# Altium PCB AdamDynamic VCA-001.PcbDoc
Units mm, origin at the board's own origin, x right, y up, seen from the top; angles counter-clockwise.
Board outline 130.18 x 70.48 mm, 2 copper layers (Top Layer, Bottom Layer), stack 1.681 mm thick; 49 components, 33 nets, 146 pads, 8 vias.
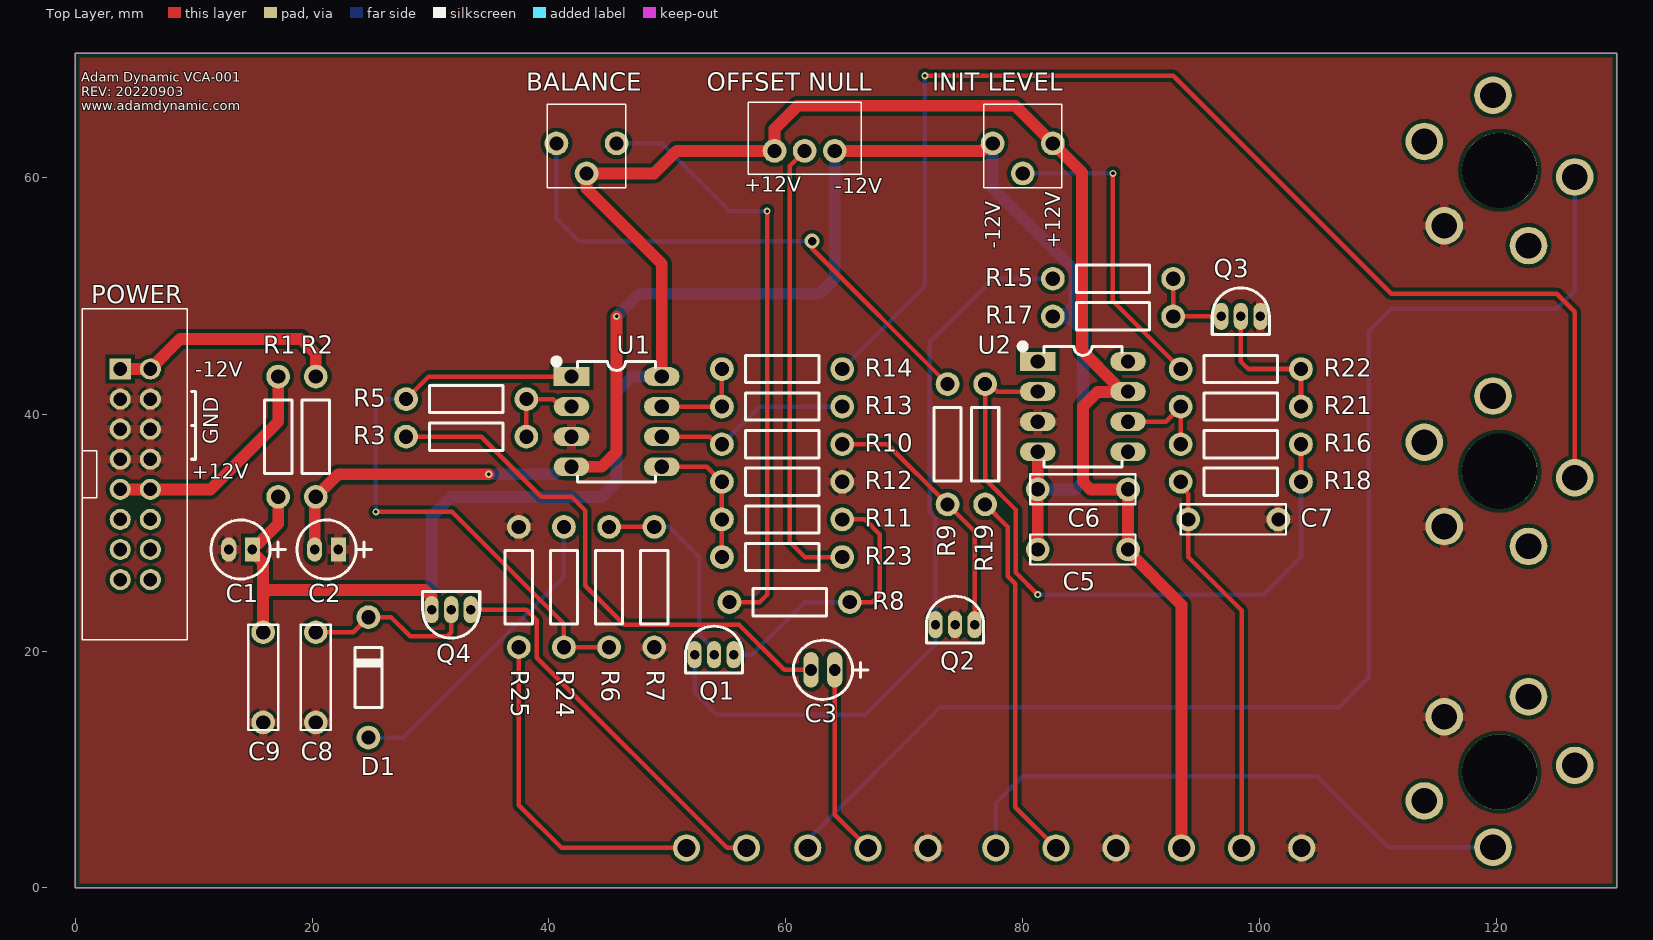
[diagram p0: Top Layer view]
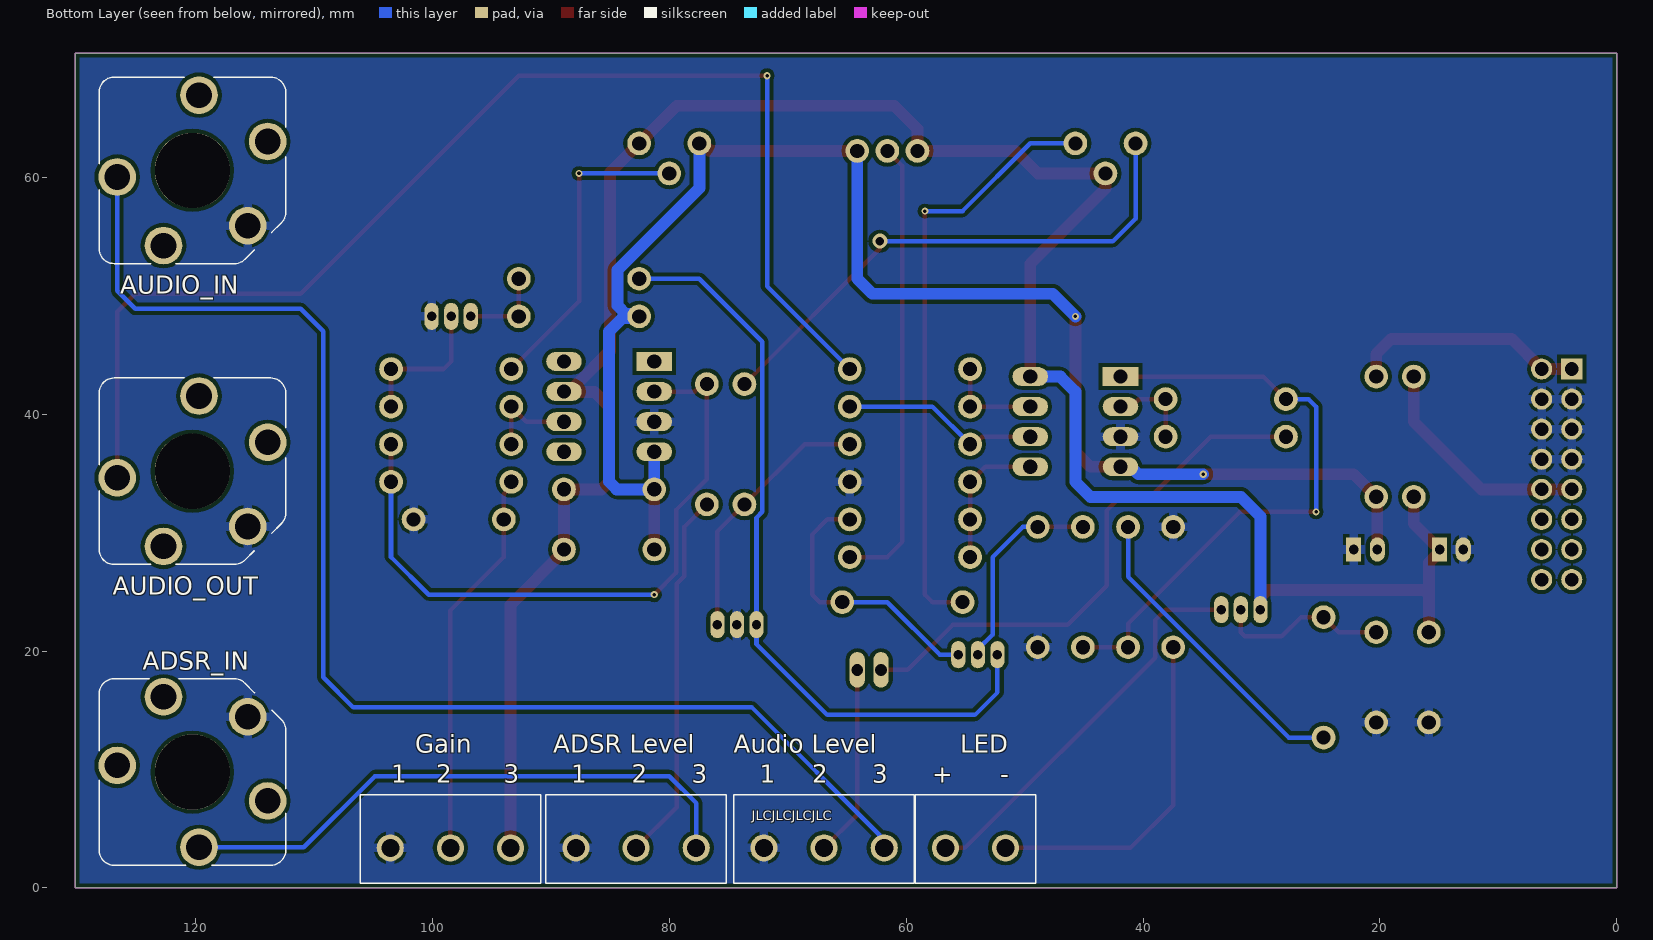
[diagram p1: Bottom Layer view, seen from below]
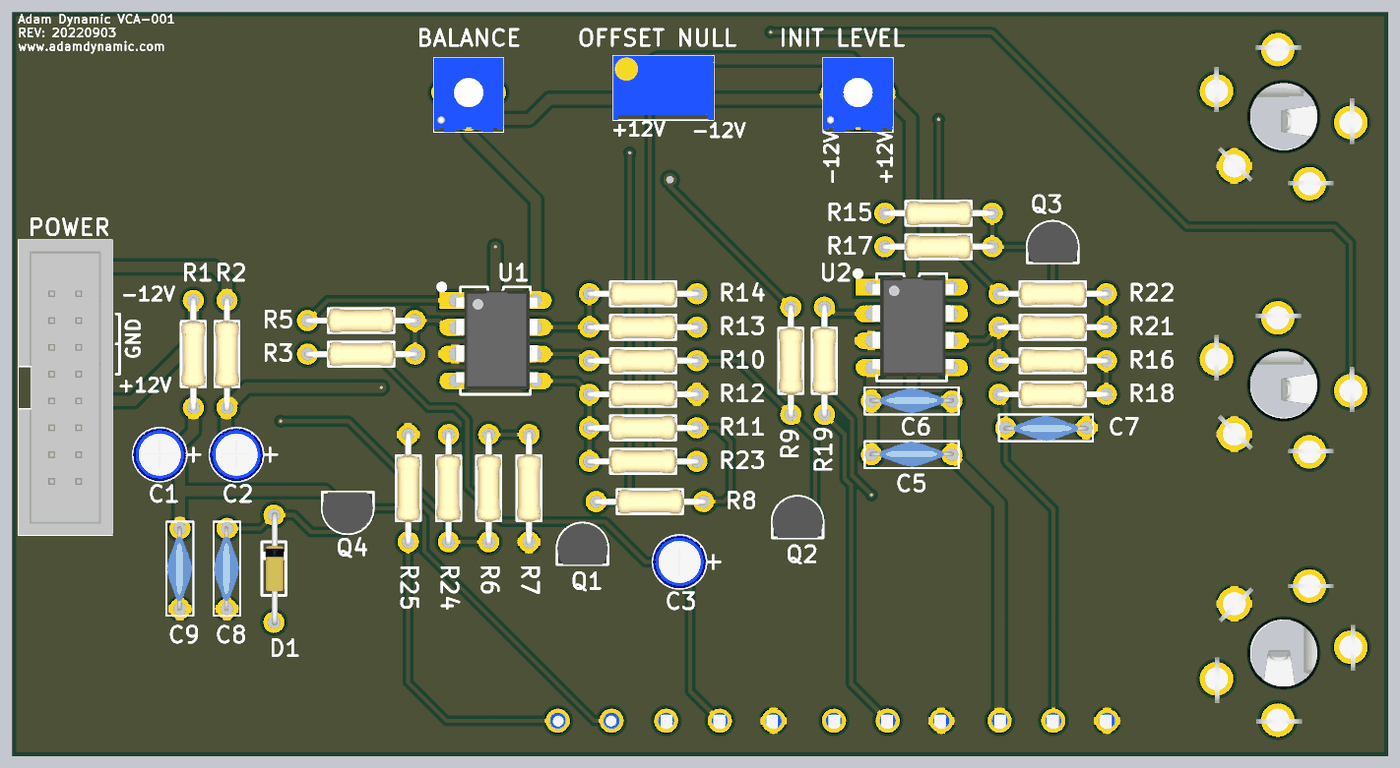
[diagram p2: 3D render of the assembled board from above, using the file's embedded part models]
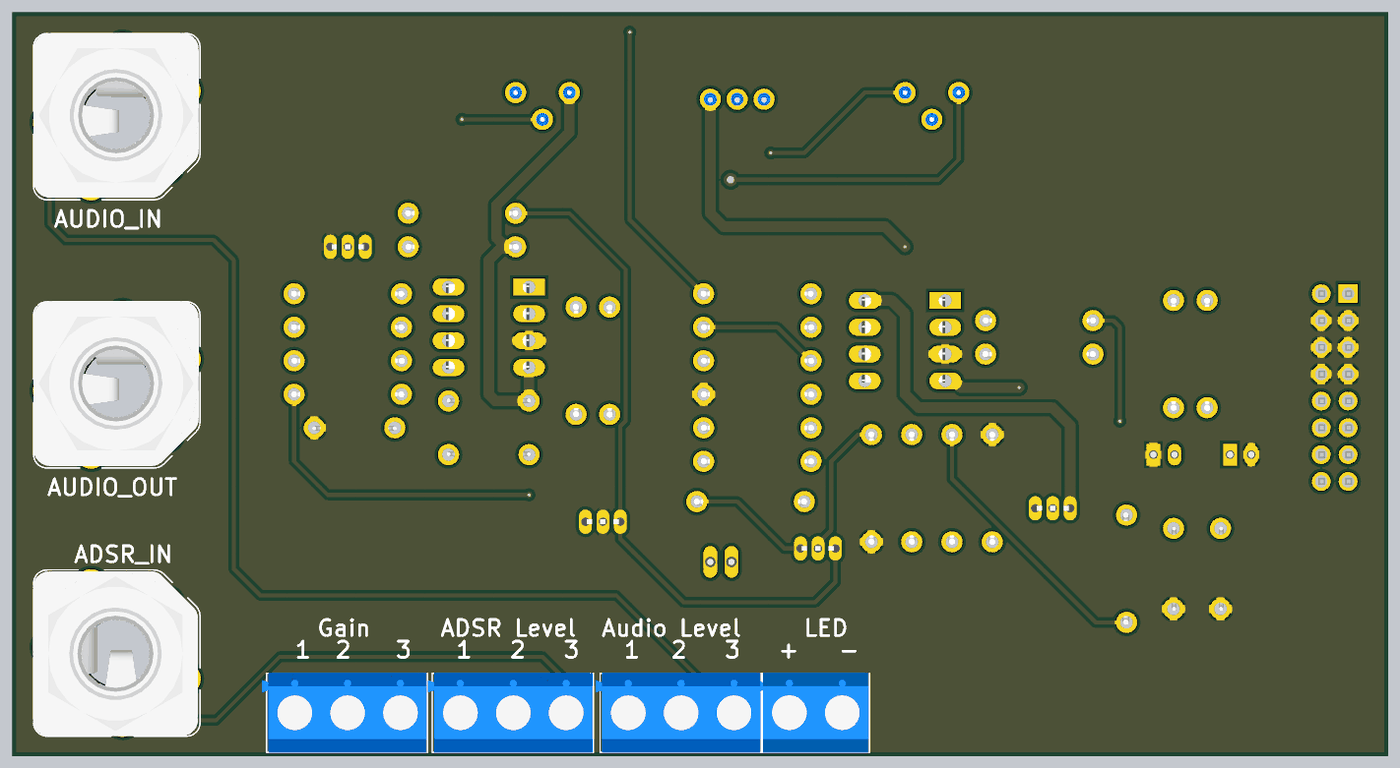
[diagram p3: 3D render of the assembled board from below, using the file's embedded part models]

## Layer stack, top to bottom
Top Solder: solder mask 0.0102, Solder Resist, Dk 3.5
Top Layer: signal copper 0.0356
Dielectric1: dielectric 1.6104, FR-4, Dk 4.8
Bottom Layer: signal copper 0.0356
Bottom Solder: solder mask 0.0102, Solder Resist, Dk 3.5

## Board outline
0,0 130.175,0 130.175,70.485 0,70.485

## Design rules (kind name [scope] priority, off if disabled: settings)
Clearance Clearance_1 [InPadClass('mount') vs InNamedPolygon('GND_L02_P002')or InNamedPolygon('GND_L01_P000')] p1: gap=1.27 ignorepadtopadclearanceinfootprint=FALSE except(0: Arc-Hole Track-Hole SMDPad-Hole THPad-Hole Via-Hole Fill-Hole Poly-Hole Region-Hole Text-Hole)
Clearance [All] p2: gap=0.318 ignorepadtopadclearanceinfootprint=FALSE except(0: Arc-Hole Track-Hole SMDPad-Hole THPad-Hole Via-Hole Fill-Hole Poly-Hole Region-Hole Text-Hole)
PolygonConnect PolygonConnect_1 [HasFootprint('HEADER 8X2')] p1: connectstyle=Relief reliefconductorwidth=0.762 reliefentries=4 polygonreliefangle="90 Angle" airgapwidth=0.254
PolygonConnect [All] p2: connectstyle=Relief reliefconductorwidth=0.762 reliefentries=4 polygonreliefangle="90 Angle" airgapwidth=0.254
RoutingVias [All] p1: holewidth=0.711 width=1.27 viastyle="Through Hole" minholewidth=0.711 minwidth=1.27 maxholewidth=0.711 maxwidth=1.27
SolderMaskExpansion [All] p1: expansion=0.102
Width [All] p1: maxlimit=1.27 minlimit=0.254 preferedwidth=0.381
30 further rules are at their usual default settings.

## Components (designator, comment, footprint, x,y, rotation, side; value= is the part's Value field where it differs from the comment)
"ADSR Level" "SCREW TERMINAL 3WAY" "SCREW TERMINAL 3WAY" 82.814,3.378 r180 bottom
ADSR_IN "N114BPCX" SWITCHCRAFT_N114BPCX 120.274,9.785 r90 bottom
"Audio Level" "SCREW TERMINAL 3WAY" "SCREW TERMINAL 3WAY" 66.939,3.378 r180 bottom
AUDIO_IN "N114BPCX" SWITCHCRAFT_N114BPCX 120.274,60.585 r180 bottom
AUDIO_OUT "N114BPCX" SWITCHCRAFT_N114BPCX 120.274,35.185 r180 bottom
BALANCE "1K" "RES VAR SQ" 43.18,61.595 r180 top
C1 "22uF/25V" "CAP 5X11"#1 13.969,28.576 r180 top
C2 "22uF/25V" "CAP 5X11"#1 21.225,28.575 r180 top
C3 "10uF" "CAP 5X11"#2 63.135,18.415 r180 top
C5 "100nF" "CAP RAD-0.3" 85.09,28.575 r180 top
C6 "100nF" "CAP RAD-0.3" 85.09,33.655 r180 top
C7 "100nF" "CAP RAD-0.3" 97.79,31.115 r0 top
C8 "100nF" "CAP RAD-0.3" 20.32,17.78 r270 top
C9 "100nF" "CAP RAD-0.3" 15.875,17.78 r270 top
D1 "DIODE 1N4148" DO-35 24.765,17.78 r90 top
Gain "SCREW TERMINAL 3WAY" "SCREW TERMINAL 3WAY" 98.486,3.378 r180 bottom
"INIT LEVEL" "47K" "RES VAR SQ" 80.01,61.595 r180 top
LED "SCREW TERMINAL 2WAY" "SCREW TERMINAL 2WAY" 54.154,3.378 r180 bottom
"OFFSET NULL" "100K" "RES VAR" 61.595,62.23 r0 top
POWER "HEADER 8X2" "HEADER 8X2" 5.08,34.925 r270 top
Q1 "BC547" TO92 53.952,19.69 r0 top
Q2 "BC547" TO92 74.295,22.225 r0 top
Q3 "BC547" TO92 98.425,48.26 r0 top
Q4 "BC547" TO92 31.75,23.495 r180 top
R1 "10R" "RES 6.2 x 0.5 x 2.3" 17.145,38.1 r90 top
R2 "10R" "RES 6.2 x 0.5 x 2.3" 20.32,38.1 r90 top
R3 "100K" "RES 6.2 x 0.5 x 2.3" 33.02,38.1 r180 top
R5 "100K" "RES 6.2 x 0.5 x 2.3" 33.02,41.275 r0 top
R6 "100K" "RES 6.2 x 0.5 x 2.3" 45.085,25.4 r270 top
R7 "1K" "RES 6.2 x 0.5 x 2.3" 48.895,25.4 r270 top
R8 "15K" "RES 6.2 x 0.5 x 2.3" 60.325,24.13 r180 top
R9 "15K" "RES 6.2 x 0.5 x 2.3" 73.66,37.465 r90 top
R10 "10K" "RES 6.2 x 0.5 x 2.3" 59.69,37.465 r0 top
R11 "10K" "RES 6.2 x 0.5 x 2.3" 59.69,31.115 r0 top
R12 "100K" "RES 6.2 x 0.5 x 2.3" 59.69,34.29 r0 top
R13 "100K" "RES 6.2 x 0.5 x 2.3" 59.69,40.64 r0 top
R14 "470R" "RES 6.2 x 0.5 x 2.3" 59.69,43.815 r180 top
R15 "33K" "RES 6.2 x 0.5 x 2.3" 87.63,51.435 r180 top
R16 "100K" "RES 6.2 x 0.5 x 2.3" 98.425,37.465 r0 top
R17 "15K" "RES 6.2 x 0.5 x 2.3" 87.63,48.26 r0 top
R18 "100K" "RES 6.2 x 0.5 x 2.3" 98.425,34.29 r180 top
R19 "68K" "RES 6.2 x 0.5 x 2.3" 76.835,37.465 r270 top
R21 "22K" "RES 6.2 x 0.5 x 2.3" 98.425,40.64 r180 top
R22 "22K" "RES 6.2 x 0.5 x 2.3" 98.425,43.815 r180 top
R23 "470K" "RES 6.2 x 0.5 x 2.3" 59.69,27.94 r0 top
R24 "12K" "RES 6.2 x 0.5 x 2.3" 41.275,25.4 r270 top
R25 "470R" "RES 6.2 x 0.5 x 2.3" 37.465,25.4 r90 top
U1 "TL072" "DIP 8 PIN" 45.72,39.37 r270 top
U2 "LM741" "DIP 8 PIN" 85.09,40.64 r270 top

## Footprints (in the part's own frame and the unit in brackets; to place one, negate y for a bottom-side part, rotate by r counter-clockwise, add the part's x,y. Pads: shape width x height; smd on the part's side, far side on the other; paste and mask are expansions set on the pad)
"CAP 5X11"#1 [mil]
  rect 50x80 hole 32: 1(-39.37,0)
  oval 50x80 hole 32: 2(39.37,0)
  silkscreen extent -150,-98 98,98, body extent -99,-99 99,99, height 454
"CAP 5X11"#2 [mil]
  oval 51.18x118.11 hole 39.37: 1(-39.37,0) 2(39.37,0)
  silkscreen extent -150,-98 98,98, body extent -99,-99 99,99, height 454
"CAP RAD-0.3" [mm]
  round 2 hole 1.2: 1(-3.81,0) 2(3.81,0)
  silkscreen extent -4.44,-1.27 4.44,1.27, body extent -4,-1.25 4,1.14, height 11.03
"DIP 8 PIN" [mm]
  rect 1.6x3 hole 1.2: 1(-3.81,-3.81)
  oval 1.6x3 hole 1.2: 2(-1.27,-3.81) 3(1.27,-3.81) 4(3.81,-3.81) 5(3.81,3.81) 6(1.27,3.81) 7(-1.27,3.81) 8(-3.81,3.81)
  silkscreen extent -5.33,-5.33 5.08,3.3, body extent -4.76,-3.81 4.64,4.06, height 4.36
DO-35 [mm]
  round 2 hole 1.2: 1(-5.08,0) 2(5.08,0)
  silkscreen extent -2.54,-1.14 2.54,1.14, body extent -5.35,-0.95 5.35,0.8, height 2.15
"HEADER 8X2" [mil]
  rect 70x70 hole 45: 1(-350,-50)
  round 70 hole 45: 2(-350,50) 3(-250,-50) 4(-250,50) 5(-150,-50) 6(-150,50) 7(-50,-50) 8(-50,50) 9(50,-50) 10(50,50) 11(150,-50) 12(150,50) 13(250,-50) 14(250,50) 15(350,-50) 16(350,50)
  silkscreen extent -550,-177 550,173, body extent -550,-177 550,173, height 337
"RES 6.2 x 0.5 x 2.3" [mm]
  round 2 hole 1.2: 1(-5.08,0) 2(5.08,0)
  silkscreen extent -3.1,-1.15 3.1,1.15, body extent -5.4,-1.15 5.36,1.15, height 2.43
"RES VAR" [mm] "MULTITURN 100MIL PITCH"
  round 2 hole 1.2: 1(-2.54,0) 2(0,0) 3(2.54,0)
  silkscreen extent -4.76,-1.97 4.76,4.13, body extent -4.76,-1.97 4.76,4.13, height 11.56
"RES VAR SQ" [mm] "TRIMPOT"
  round 2 hole 1.2: 1(-2.54,-1.27) 2(0,1.27) 3(2.54,-1.27)
  silkscreen extent -3.3,-4.57 3.3,2.48, body extent -3.3,-4.57 3.3,2.48, height 4.7
"SCREW TERMINAL 2WAY" [mil] "SCREW TERMINAL 2WAY 5.08mm"
  round 90 hole 60: 1(-100,0) 2(100,0)
  silkscreen extent -200,-118 200,177, body extent -220,-120 197,180, height 394
"SCREW TERMINAL 3WAY" [mil] "SCREW TERMINAL 3WAY 5.08mm"
  round 90 hole 60: 1(-200,0) 2(0,0) 3(200,0)
  silkscreen extent -300,-118 300,177, body extent -317,-120 297,179, height 394
SWITCHCRAFT_N114BPCX [mil]
  round 125 hole 85: R(22,250) RS(250,96) SLV(183.8,-183.8) T(-250,-22) TS(-96,-250)
  round 250 hole 250 unplated: ""(0,0)
  silkscreen extent -310,-310 310,310, body extent -310,-303 305,312, height 1697
TO92 [mm]
  oval 1.2x2.286 hole 0.8 mask+0: 1(-1.651,0) 2(0,0) 3(1.651,0)
  silkscreen extent -2.41,-1.52 2.41,2.41, body extent -2.39,-1.54 2.41,2.39, height 8

## Part data
"ADSR Level" "Audio Level" Gain: "SCREW TERMINAL 3WAY 5.08mm"
ADSR_IN AUDIO_IN AUDIO_OUT: "Conn 1/4'' Phone Jack F 3 POS Solder ST Thru-Hole 5 Terminal 1 Port", Package=None, Availability=Unavailable, MP=N114BPCX, Price=None
BALANCE "INIT LEVEL" "OFFSET NULL": library part ResTrimpot, "Multiturn"
C1 C2 C3 C5 C6 C7 C8 C9: library part "Capacitor Polar"
D1: "Small Signal Fast Switching Diodes"
LED: "SCREW TERMINAL 2WAY 5.08mm"
Q1 Q2 Q3 Q4: "NPN Epitaxial Silicon Transistor"
R1 R2 R3 R5 R6 R7 R8 R9 R10 R11 R12 R13 R14 R15 R16 R17 R18 R19 R21 R22 R23 R24 R25: library part Res2, "Resistor", LatestRevisionDate=17-Jul-2002, LatestRevisionNote="Re-released for DXP Platform.", PackageReference=AXIAL-0.4, Published=8-Jun-2000, Publisher="Altium Limited"
U1: "Low-Noise FET-Input Operational Amplifiers"

## Via types
v1: diameter 0.6, hole 0.3, Top Layer to Bottom Layer, tented both sides, 7 vias
v2: diameter 1.27, hole 0.711, Top Layer to Bottom Layer, tented both sides, 1 vias

## Nets (pads, with @x,y where several pads share a name; then routed paths per layer and width w, separated by ;. In a path a pad name is that pad's centre, name@x,y a point inside that pad or via, vN(x,y) a via of type N, cw(c..) or ccw(c..) an arc to the next point about the centre after c; other vN are vias at no path point)
+12V0: "INIT LEVEL.1" "OFFSET NULL.1" BALANCE.2 C1.1 C5.1 C6.1 C9.1 Gain.3 Q4.3 R1.1 U1.8 U2.7 | length 200.1
  Top Layer w1: C9.1 15.875,24.765 ; R1.1 17.145,30.752 15.485,29.092 15.104,29.092 14.969,28.957 C1.1 14.969,28.195 15.104,28.06 15.289,28.06 15.875,27.474 15.875,24.765 ; Q4.3 30.099,24.56 29.513,25.146 16.256,25.146 15.875,24.765 ; U1.8 49.53,52.705 43.18,59.055 BALANCE.2 48.895,60.325 50.8,62.23 59.055,62.23 59.055,64.097 60.998,66.04 79.375,66.04 82.55,62.865 85.027,60.388 85.027,45.336 87.9,42.463 87.9,42.372 88.362,41.91 U2.7 88.876,41.886 86.336,41.886 85.09,40.64 85.09,34.29 85.725,33.655 C6.1 C5.1 88.9,28.419 93.406,23.913 Gain.3
  Bottom Layer w1: Q4.3 30.099,31.369 31.75,33.02 44.45,33.02 45.72,34.29 45.72,41.91 46.99,43.18 U1.8
-12V0: "INIT LEVEL.3" "OFFSET NULL.3" C2.2 C5.2 C6.2 R2.1 R17.1 U1.4 U2.4 | length 137
  Top Layer w1: C2.2 20.225,32.925 R2.1 22.225,34.925 v1(34.925,34.925) ; U1.4 44.45,35.56 45.72,36.83 v1(45.72,48.26) ; 64.135,62.23 76.564,62.23 77.199,62.865 77.47,62.865 ; C5.2 C6.2 U2.4
  Bottom Layer w1: v1(34.925,34.925) 40.413,34.925 41.048,35.56 U1.4 ; v1(45.72,48.26) 47.625,50.165 62.865,50.165 64.135,51.435 64.135,62.23 ; 77.47,62.865 77.47,59.085 84.367,52.188 84.367,49.15 83.669,48.451 82.741,48.451 R17.1 82.683,48.127 83.953,48.127 85.09,46.99 85.09,34.29 84.455,33.655 C6.2 U2.4
GND: "ADSR Level.1" "Audio Level.1" ADSR_IN.SLV AUDIO_IN.SLV AUDIO_OUT.SLV C1.2 C2.1 C7.2 C8.2 C9.2 Gain.1 POWER.3 POWER.4 POWER.5 POWER.6 POWER.7 POWER.8 Q2.2 Q3.3 R7.2 R12.2 R25.2 U1.3 U2.3
"NetADSR Level_2": "ADSR Level.2" R19.2 | length 31.5
  Top Layer w0.381: R19.2 78.74,30.48 78.74,26.317 79.375,25.682 79.375,6.818 82.814,3.378
NetADSR_IN_T: "ADSR Level.3" ADSR_IN.T | length 49.2
  Bottom Layer w0.381: 77.734,3.378 77.734,7.167 80.01,9.442 104.858,9.442 110.865,3.435 ADSR_IN.T
"NetAudio Level_2": "Audio Level.2" C3.1 | length 16.2
  Top Layer w0.381: C3.1 64.135,6.183 66.939,3.378
NetAUDIO_IN_T: "Audio Level.3" AUDIO_IN.T | length 111.4
  Bottom Layer w0.381: 61.859,3.378 62.224,3.743 62.224,4.439 73.025,15.24 106.68,15.24 109.22,17.78 109.22,46.99 111.125,48.895 125.095,48.895 126.624,50.424 AUDIO_IN.T
NetAUDIO_OUT_T: AUDIO_OUT.T R14.1 | length 104.8
  Top Layer w0.381: v1(71.755,68.58) 92.71,68.58 111.125,50.165 125.095,50.165 126.624,48.636 AUDIO_OUT.T
  Bottom Layer w0.381: R14.1 71.755,50.8 v1(71.755,68.58)
NetBALANCE_1: BALANCE.1 R8.2 | length 50.9
  Top Layer w0.381: R8.2 57.785,24.13 58.42,24.765 v1(58.42,57.15)
  Bottom Layer w0.381: BALANCE.1 49.53,62.865 55.245,57.15 v1(58.42,57.15)
NetBALANCE_3: BALANCE.3 R9.2 | length 45.5
  Top Layer w0.381: v2(62.23,54.61) 62.23,53.975 R9.2
  Bottom Layer w0.381: BALANCE.3 40.64,56.515 42.545,54.61 v2(62.23,54.61)
NetC3_2: C3.2 R3.2 | length 46.1
  Top Layer w0.381: R3.2 34.29,38.1 39.37,33.02 41.91,33.02 43.066,31.864 43.066,25.514 46.355,22.225 56.054,22.225 59.864,18.415 C3.2
NetC7_1: C7.1 Gain.2 R18.2 | length 33
  Top Layer w0.381: R18.2 93.345,33.892 93.98,33.257 C7.1 93.98,27.94 98.486,23.434 Gain.2
NetC8_1: C8.1 D1.2 Q4.2 | length 14.7
  Top Layer w0.381: C8.1 23.495,21.59 D1.2 26.67,22.86 28.284,21.246 31.406,21.246 31.75,21.59 Q4.2
NetD1_1: D1.1 R24.1 | length 26.3
  Bottom Layer w0.381: D1.1 27.712,12.7 41.275,26.263 R24.1
"NetINIT LEVEL_2": "INIT LEVEL.2" R22.2 | length 26.9
  Top Layer w0.381: 80.01,60.325 80.32,60.015 ; v1(87.63,60.325) 87.63,49.53 R22.2
  Bottom Layer w0.381: 80.01,60.325 v1(87.63,60.325)
NetLED_1: LED.1 Q4.1 | length 33.5
  Top Layer w0.381: Q4.1 38.1,23.495 38.973,22.622 38.973,19.447 55.042,3.378 LED.1
NetLED_2: LED.2 R25.1 | length 29
  Top Layer w0.381: R25.1 37.465,6.985 41.072,3.378 LED.2
"NetOFFSET NULL_2": "OFFSET NULL.2" R23.2 | length 38.5
  Top Layer w0.381: 61.595,62.23 60.325,60.96 60.325,29.21 61.595,27.94 R23.2
NetPOWER_1: POWER.1 POWER.2 R2.2 | length 20
  Top Layer w1: POWER.1 POWER.2 8.89,46.355 19.05,46.355 20.32,45.085 R2.2
NetPOWER_9: POWER.9 POWER.10 R1.2 | length 19.5
  Top Layer w1: POWER.9 POWER.10 11.43,33.655 17.145,39.37 R1.2
NetQ1_1: Q1.1 Q2.1 R15.2 | length 65.1
  Bottom Layer w0.381: Q1.1 52.301,16.502 54.198,14.605 66.675,14.605 72.644,20.574 Q2.1 72.644,31.268 72.152,31.76 72.152,46.117 77.47,51.435 R15.2
NetQ1_2: Q1.2 R6.1 R7.1 | length 17.4
  Top Layer w0.381: R6.1 R7.1@48.26,30.48
  Bottom Layer w0.381: R7.1@48.26,30.48 50.165,30.48 52.705,27.94 52.705,21.396 53.952,20.149 Q1.2
NetQ1_3: Q1.3 R8.1 R11.2 | length 23.2
  Top Layer w0.381: R11.2 66.675,31.115 67.945,29.845 67.945,24.765 67.31,24.13 R8.1
  Bottom Layer w0.381: Q1.3 57.155,19.69 61.595,24.13 R8.1
NetQ2_3: Q2.3 R9.1 R10.2 | length 22.1
  Top Layer w0.381: R10.2 68.58,37.465 R9.1 75.946,30.099 Q2.3
NetQ3_1: Q3.1 R15.1 R17.2 | length 7.2
  Top Layer w0.381: R15.1 R17.2 Q3.1
NetQ3_2: Q3.2 R21.1 R22.1 | length 12.3
  Top Layer w0.381: Q3.2 98.425,44.45 99.06,43.815 R22.1 R21.1
NetR3_1: R3.1 R5.2 U1.2 | length 7.2
  Top Layer w0.381: R3.1 R5.2 40.377,41.275 41.012,40.64 U1.2
NetR5_1: R5.1 R6.2 R24.2 U1.1 | length 52
  Top Layer w0.381: v1(25.4,31.75) 31.825,31.75 41.275,22.3 R24.2 R6.2 ; R5.1 29.845,43.18 U1.1
  Bottom Layer w0.381: v1(25.4,31.75) 25.4,40.64 26.035,41.275 R5.1
NetR10_1: R10.1 R13.2 U1.6 | length 16.8
  Top Layer w0.381: U1.6 53.577,38.1 54.212,37.465 R10.1
  Bottom Layer w0.381: R10.1 57.785,40.64 R13.2
NetR11_1: R11.1 R12.1 R23.1 U1.5 | length 12
  Top Layer w0.381: U1.5 53.34,35.56 R12.1 R11.1 R23.1
NetR13_1: R13.1 R14.2 U1.7 | length 8.3
  Top Layer w0.381: U1.7 R13.1 R14.2
NetR16_1: R16.1 R21.2 U2.6 | length 8.1
  Top Layer w0.381: U2.6 92.075,39.37 R21.2 R16.1
NetR16_2: R16.2 R18.1 R19.1 U2.2 | length 57.4
  Top Layer w0.381: v1(81.28,24.765) 79.438,26.606 79.438,31.914 76.835,34.518 R19.1 77.233,42.545 77.868,41.91 U2.2 ; R18.1 R16.2
  Bottom Layer w0.381: v1(81.28,24.765) 100.33,24.765 103.505,27.94 R18.1
pads on no net: ADSR_IN. ADSR_IN.R ADSR_IN.RS ADSR_IN.TS AUDIO_IN. AUDIO_IN.R AUDIO_IN.RS AUDIO_IN.TS AUDIO_OUT. AUDIO_OUT.R AUDIO_OUT.RS AUDIO_OUT.TS POWER.11 POWER.12 POWER.13 POWER.14 POWER.15 POWER.16 U2.1 U2.5 U2.8

## Polygon pours and split planes (outlines as drawn)
GND on Top Layer "GND_L01_P000" (solid, pour order 0): 0,70.485 130.175,70.485 130.175,0 0,0
GND on Bottom Layer "Bottom Layer-GND" (solid, pour order 2): 0,70.485 130.175,70.485 130.175,0 0,0

## Keep-outs
Keep-Out Layer:
  the board outline again, w0.127

## Other copper
Top Layer:
  text "TOP LAYER" at 157.48,-80.01 h2.54
Bottom Layer:
  text "BOTTOM LAYER" at 157.48,-80.01 h2.54

## Silkscreen, mask and mechanical layers (free items; w line width, h text height)
Top Overlay:
  lines w0.254: 9.842,36.195 10.16,36.195 10.16,41.91 9.842,41.91 ; 9.842,39.052 10.16,39.052
  text "Adam Dynamic VCA-001 / REV: 20220903 / www.adamdynamic.com" at 0.508,65.659 h0.8
  text "+12V" at 56.515,58.801 h1.27
  text "-12V" at 64.135,58.674 h1.27
  text "-12V" at 78.105,53.975 h1.27 r90
  text "+12V" at 83.185,53.975 h1.27 r90
  text "-12V" at 10.16,43.18 h1.27
  text "GND" at 12.065,37.465 h1.27 r90
  text "+12V" at 9.831,34.559 h1.27
  text "TOP OVERLAY" at 157.48,-80.01 h2.54
Bottom Overlay:
  text "-" at 52.07,8.89 h1.52
  text "+" at 57.785,8.89 h1.52
  text "3" at 62.865,8.89 h1.52
  text "2" at 67.945,8.89 h1.52
  text "1" at 72.39,8.89 h1.52
  text "3" at 78.105,8.89 h1.52
  text "2" at 83.185,8.89 h1.52
  text "1" at 88.265,8.89 h1.52
  text "3" at 93.98,8.89 h1.52
  text "2" at 99.695,8.89 h1.52
  text "1" at 103.505,8.89 h1.52
  text "JLCJLCJLCJLC" at 73.025,5.715 h0.8
Top Solder:
  text "TOP SOLDER" at 157.48,-80.01 h2.54
Bottom Solder:
  text "BOTTOM SOLDER" at 157.48,-80.01 h2.54
Mechanical 1:
  circle w0.013: c44.224,35.185 r1
  circle w0.013: c24.524,7.635 r1.5
  circle w0.013: c24.524,45.735 r1.5
  circle w0.013: c24.524,16.135 r3.5
  circle w0.013: c24.524,54.235 r3.5
  circle w0.013: c-19.526,26.685 r1.5
  circle w0.013: c-19.526,35.185 r3.5
  circle w0.013: c120.274,60.585 r5
  circle w0.013: c120.274,9.785 r5
  circle w0.013: c120.274,35.185 r5
  lines w0.013: -55.776,-2.915 144.224,-2.915 144.224,73.285 -55.776,73.285 -55.776,-2.915 ; -52.426,2.685 ccw(c-50.826,2.685) -50.826,1.085 -50.726,1.085 ccw(c-50.726,2.685) -49.126,2.685 -49.126,6.485 ccw(c-50.726,6.485) -50.726,8.085 -50.826,8.085 ccw(c-50.826,6.485) -52.426,6.485 -52.426,2.685 ; -52.426,63.645 ccw(c-50.826,63.645) -50.826,62.045 -50.726,62.045 ccw(c-50.726,63.645) -49.126,63.645 -49.126,67.445 ccw(c-50.726,67.445) -50.726,69.045 -50.826,69.045 ccw(c-50.826,67.445) -52.426,67.445 -52.426,63.645 ; 137.574,2.685 ccw(c139.174,2.685) 139.174,1.085 139.274,1.085 ccw(c139.274,2.685) 140.874,2.685 140.874,6.485 ccw(c139.274,6.485) 139.274,8.085 139.174,8.085 ccw(c139.174,6.485) 137.574,6.485 137.574,2.685 ; 137.574,63.645 ccw(c139.174,63.645) 139.174,62.045 139.274,62.045 ccw(c139.274,63.645) 140.874,63.645 140.874,67.445 ccw(c139.274,67.445) 139.274,69.045 139.174,69.045 ccw(c139.174,67.445) 137.574,67.445 137.574,63.645
FAB:
  the board outline again, w0.127
  text "FAB LAYER" at 157.48,-80.01 h2.54
Mechanical 16:
  lines w0.127: -66.235,-39.863 -61.155,-39.863 ; -66.235,8.397 -61.155,8.397 ; -66.235,56.657 -61.155,56.657 ; 6.79,-88.123 6.79,-83.043 ; 6.79,99.837 6.79,104.917 ; 79.815,-88.123 79.815,-83.043 ; 79.815,99.837 79.815,104.917 ; 106.485,-75.423 220.785,-75.423 ; 106.485,-67.803 220.785,-67.803 ; 106.485,-60.183 144.585,-60.183 ; 144.585,-83.043 144.585,-67.803 144.585,-52.563 ; 152.84,-88.123 152.84,-83.043 ; 197.925,-83.043 197.925,-67.803 ; 220.785,-39.863 225.865,-39.863 ; 220.785,56.657 225.865,56.657 ; 144.585,-52.563 106.485,-52.563 106.485,-83.043 220.785,-83.043 ; 144.585,-52.563 220.785,-52.563 220.785,-83.043 ; 220.785,-83.043 -61.155,-83.043 -61.155,99.837 220.785,99.837 220.785,-83.043 ; -66.235,-88.123 225.865,-88.123 225.865,104.917 -66.235,104.917 -66.235,-88.123
  text "1" at -29.989,101.488 h1.78
  text "2" at 42.655,101.488 h1.78
  text "3" at 115.807,101.488 h1.78
  text "4" at 188.705,101.488 h1.78
  text "A" at -64.33,78.476 h1.78
  text "A" at 222.69,78.476 h1.78
  text "B" at -64.33,30.419 h1.78
  text "B" at 222.69,30.419 h1.78
  text "C" at -64.33,-18.095 h1.78
  text "C" at 222.69,-18.095 h1.78
  text "ENGINEER:" at 107.755,-55.103 h1.14
  text "TITLE:" at 145.855,-55.103 h1.14
  text "AdamDynamic" at 116.713,-57.362 h2.54
  text "AdamDynamic VCA-001" at 152.4,-61.595 h5
  text "PCB DESIGNER:" at 107.755,-62.596 h1.14
  text "D" at -64.33,-66.101 h1.78
  text "D" at 222.69,-66.101 h1.78
  text "AdamDynamic" at 116.713,-66.125 h2.54
  text "DATE:" at 107.755,-70.343 h1.14
  text "PART NO.:" at 145.855,-70.343 h1.14
  text "REV:" at 199.195,-70.343 h1.14
  text "1.0" at 212.213,-73.137 h2.54
  text ".PRINT_DATE" at 109.025,-73.391 h1.78
  text "FILE NAME:" at 107.755,-77.963 h1.14
  text "DWG NO:" at 145.855,-77.963 h1.14
  text "SCALE:" at 199.195,-77.963 h1.14
  text "N/A" at 209.673,-80.757 h2.54
  text ".PCB_FILE_NAME_NO_PATH" at 109.025,-81.011 h1.78
  text "2" at 42.655,-86.472 h1.78
  text "3" at 115.807,-86.472 h1.78
  text "4" at 188.705,-86.472 h1.78

## Dimensions
-55.776,-2.915 to 144.224,-2.915 on Mechanical 15
130.175,0 to 130.175,70.485 on Mechanical 15
0,0 to 130.175,0 on Mechanical 15